# Altium PCB 第六组 谌梓轩 3210105209.PcbDoc
Units mm, origin at the board's own origin, x right, y up, seen from the top; angles counter-clockwise.
Board outline 150 x 80 mm, 2 copper layers (Top Layer, Bottom Layer); 93 components, 47 nets, 218 pads, 0 vias.
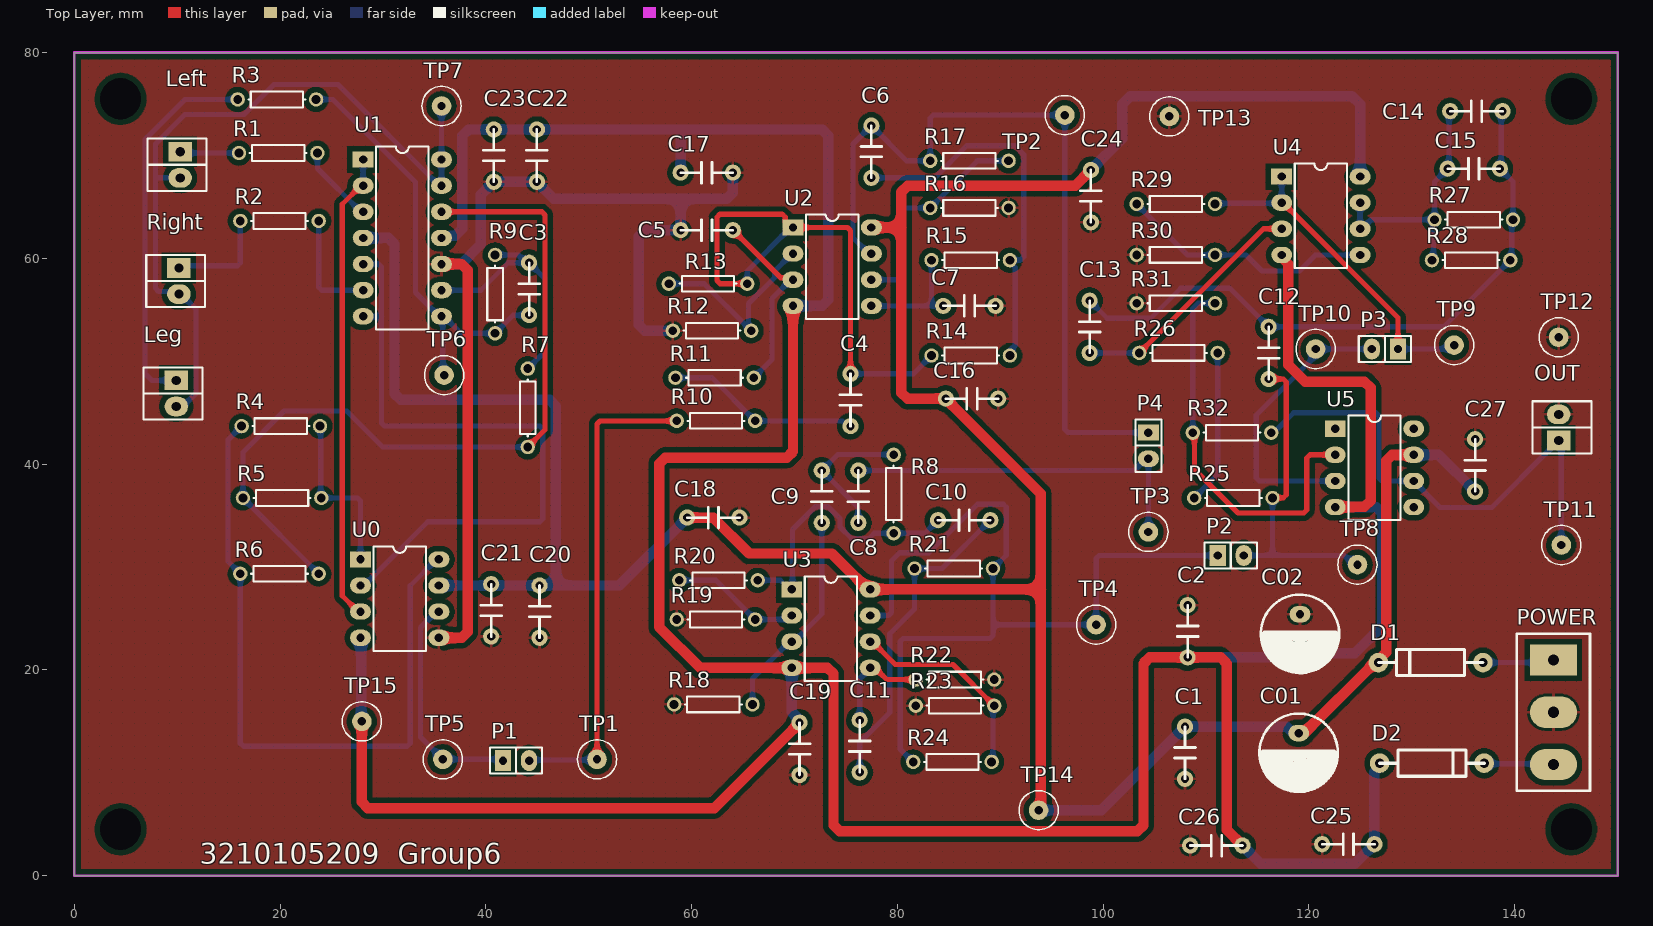
[diagram p0: Top Layer view]
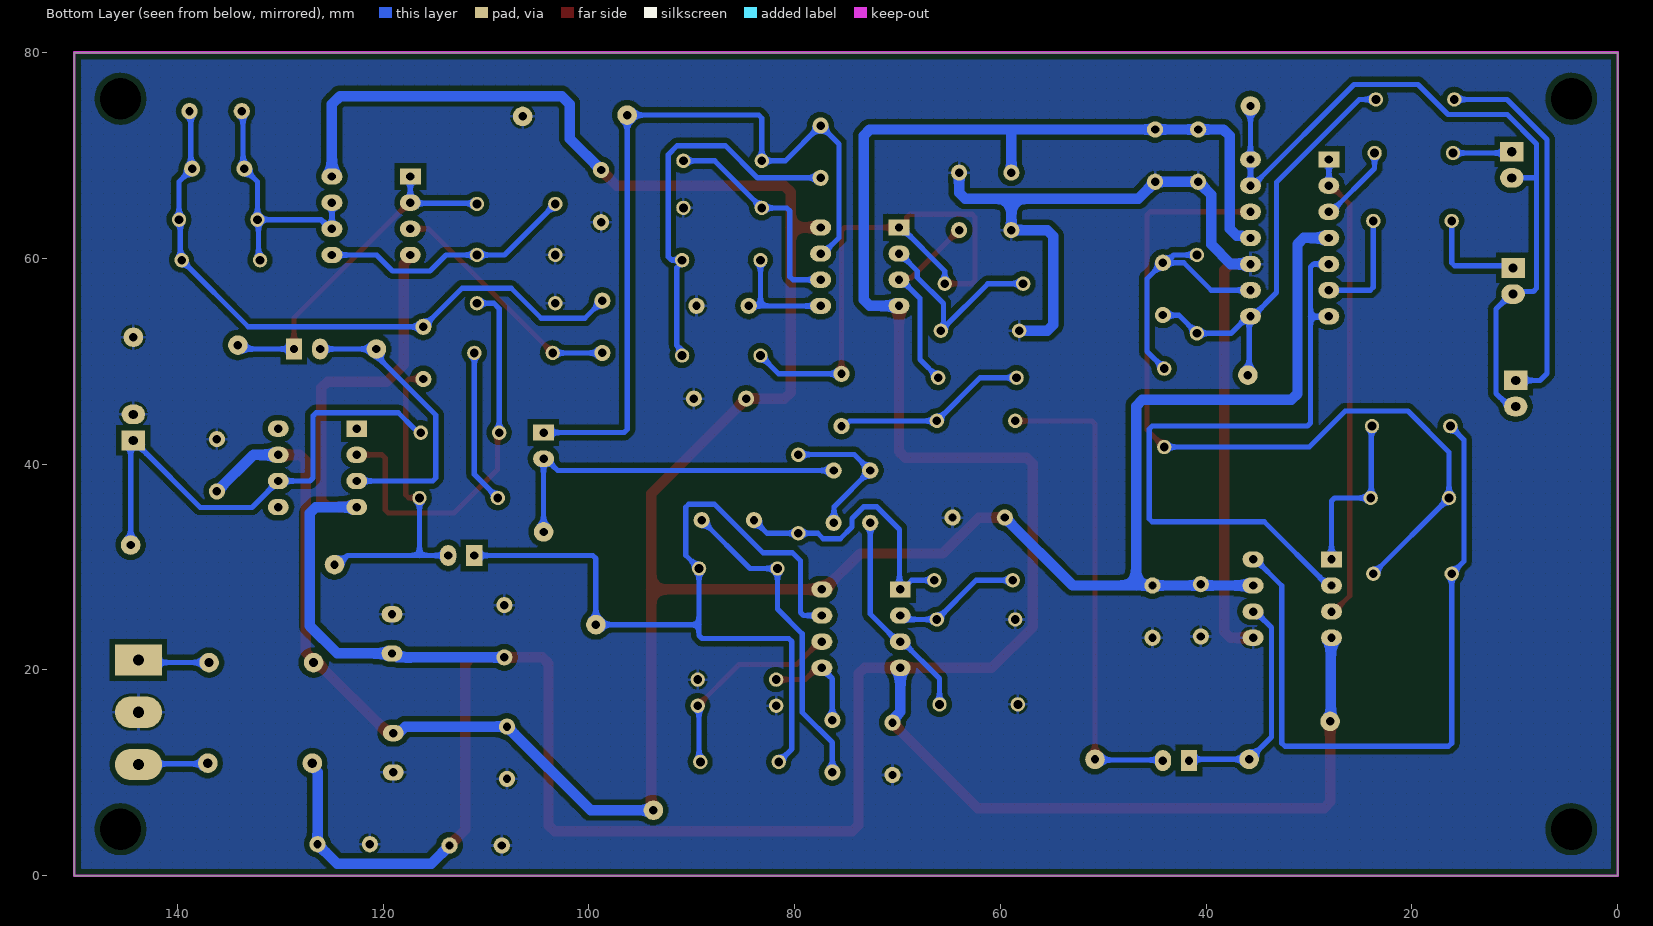
[diagram p1: Bottom Layer view, seen from below]
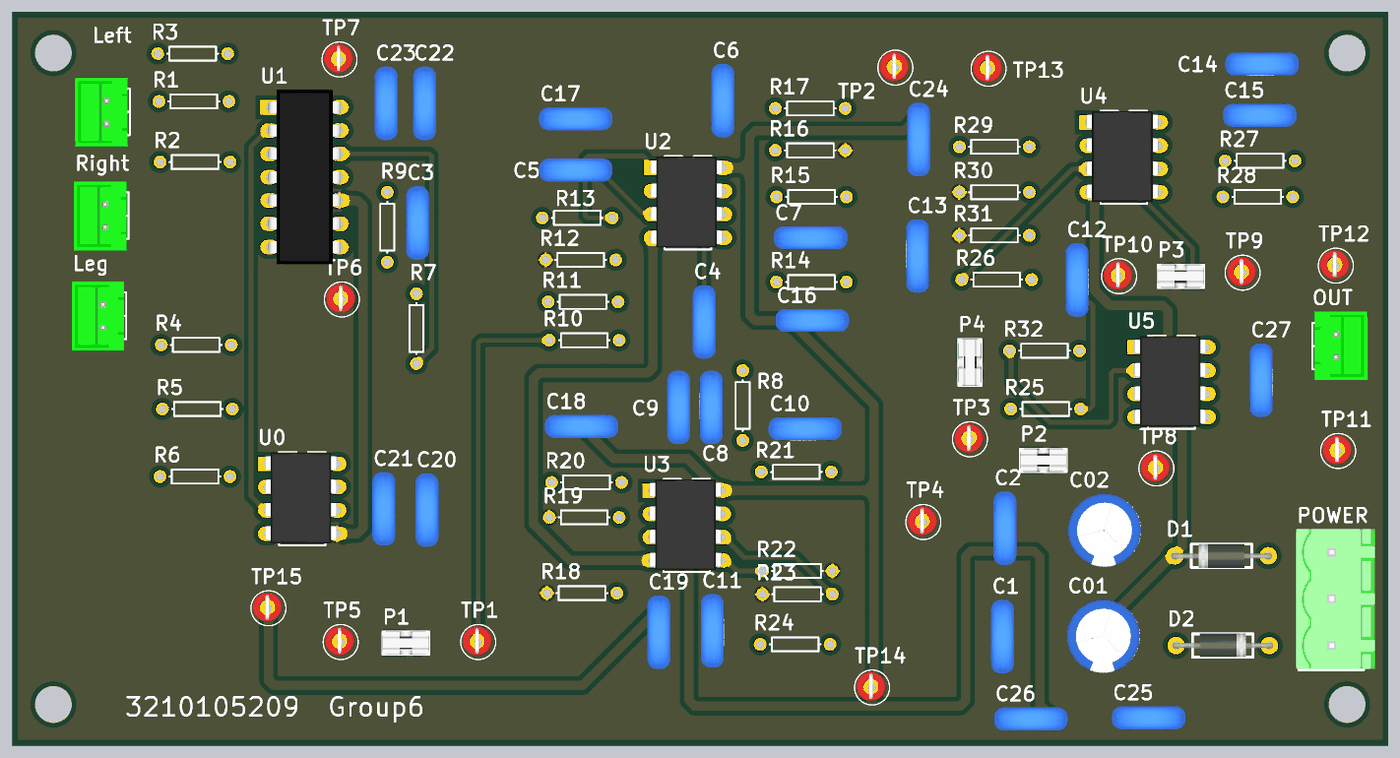
[diagram p2: 3D render of the assembled board from above, using the file's embedded part models]

## Layer stack, top to bottom
Top Solder: solder mask 0.0102, Solder Resist, Dk 3.5
Top Layer: signal copper 0.0356
Dielectric 1: dielectric 0.32, FR-4, Dk 4.8
Bottom Layer: signal copper 0.0356
Bottom Solder: solder mask 0.0102, Solder Resist, Dk 3.5

## Board outline
0,0 150,0 150,80 0,80

## Design rules (kind name [scope] priority, off if disabled: settings)
Clearance [All] p1: gap=0.508 ignorepadtopadclearanceinfootprint=FALSE
PolygonConnect [All] p1: connectstyle=Relief reliefconductorwidth=0.254 reliefentries=4 polygonreliefangle="90 Angle" airgapwidth=0.254
RoutingVias [All] p1: holewidth=0.711 width=1.27 viastyle="Through Hole" minholewidth=0.711 minwidth=1.27 maxholewidth=0.711 maxwidth=1.27
SolderMaskExpansion [All] p1: expansion=0.102 istentingtop=FALSE
Width [All] p1: maxlimit=1.27 minlimit=0.381 preferedwidth=0.508
30 further rules are at their usual default settings.

## Classes and differential pairs
component class rearamp3210105209: C4 C5 C6 C7 C8 C9 C10 C11 C16 C17 C18 P1 P4 R8 R10 R11 R12 R13 R14 R15 R16 R17 R18 R19 R20 R21 R22 R23 R24 TP1 TP2 TP3 TP4 U2 U3
component class frontamp3210105209: C3 C20 C21 C22 C23 Left Leg R1 R2 R3 R4 R5 R6 R7 R9 Right TP5 TP6 TP7 U0 U1
component class filter3210105209: C1 C01 C02 C2 C12 C13 C14 C15 C24 C25 C26 C27 D1 D2 OUT P2 P3 POWER R25 R26 R27 R28 R29 R30 R31 R32 TP8 TP9 TP10 TP11 TP12 TP13 TP14 TP15 U4 U5

## Components (designator, comment, footprint, x,y, rotation, side; value= is the part's Value field where it differs from the comment)
C1 "104" C2 107.95,9.398 r90 top value=4700pF
C01 "220uF" RB.15/.3 118.999,13.843 r270 top
C2 "104" C2 108.204,21.209 r90 top value=4700pF
C02 "220uF" RB.15/.3 119.126,25.4 r270 top
C3 "823" C2 44.196,54.483 r90 top value=4700pF
C4 "823" C2 75.438,43.688 r90 top value=4700pF
C5 "823" C2 58.928,62.738 r0 top value=4700pF
C6 "823" C2 77.47,67.818 r90 top value=4700pF
C7 "823" C2 89.535,55.372 r180 top value=4700pF
C8 "105" C2 76.2,39.37 r270 top value=4700pF
C9 "105" C2 72.644,39.37 r270 top value=4700pF
C10 "105" C2 83.947,34.544 r0 top value=4700pF
C11 "105" C2 76.327,10.033 r90 top value=4700pF
C12 "473" C2 116.078,48.26 r90 top value=4700pF
C13 "823" C2 98.679,55.88 r270 top value=4700pF
C14 "473" C2 133.731,74.295 r0 top value=4700pF
C15 "473" C2 133.477,68.707 r0 top value=4700pF
C16 "104" C2 84.709,46.355 r0 top value=4700pF
C17 "104" C2 58.928,68.326 r0 top value=4700pF
C18 "104" C2 59.563,34.798 r0 top value=4700pF
C19 "104" C2 70.485,14.859 r270 top value=4700pF
C20 "104" C2 45.212,28.194 r270 top value=4700pF
C21 "104" C2 40.513,28.321 r270 top value=4700pF
C22 "104" C2 44.958,72.517 r270 top value=4700pF
C23 "104" C2 40.767,72.517 r270 top value=4700pF
C24 "104" C2 98.806,68.58 r270 top value=4700pF
C25 "104" C2 126.365,3.048 r180 top value=4700pF
C26 "104" C2 113.538,2.921 r180 top value=4700pF
C27 "104" C2 136.144,37.338 r90 top value=4700pF
D1 "1N4007" DIODE0.4 136.906,20.701 r180 top
D2 "1N4007" DIODE0.4 126.873,10.922 r0 top
Left "Header 2" SIP2L 10.287,70.358 r270 top
Leg "Header 2" SIP2L 9.906,48.133 r270 top
OUT "Header 2" SIP2L 144.272,42.291 r90 top
P1 "JUMP-1" SIP2 41.656,11.176 r0 top
P2 "JUMP-1" SIP2 111.125,31.115 r0 top
P3 "JUMP-1" SIP2 128.651,51.181 r180 top
P4 "JUMP-1" SIP2 104.394,43.053 r270 top
POWER "Header 3" POWER3 143.764,20.955 r270 top
R1 "50K" AXIAL-0.3 19.812,70.231 r0 top
R2 "50K" AXIAL-0.3 19.939,63.627 r0 top
R3 "100K" AXIAL-0.3 19.685,75.438 r0 top value=50K
R4 "5.6K" AXIAL-0.3 20.066,43.688 r0 top value=50K
R5 "24.9" AXIAL-0.3 20.193,36.703 r0 top value=50K
R6 "24.9" AXIAL-0.3 19.939,29.337 r180 top value=50K
R7 "10K" AXIAL-0.3 44.069,45.466 r270 top value=50K
R8 "5.1M" AXIAL-0.3 79.629,37.084 r270 top value=50K
R9 "10M" AXIAL-0.3 40.894,56.515 r90 top value=50K
R10 "18K" AXIAL-0.3 62.357,44.196 r0 top value=50K
R11 "18K" AXIAL-0.3 62.23,48.387 r0 top value=50K
R12 "100K" AXIAL-0.3 61.976,52.959 r0 top value=50K
R13 "56K" AXIAL-0.3 61.595,57.531 r0 top value=50K
R14 "18K" AXIAL-0.3 87.122,50.546 r0 top value=50K
R15 "18K" AXIAL-0.3 87.122,59.817 r180 top value=50K
R16 "50K" AXIAL-0.3 86.995,64.897 r180 top
R17 "56K" AXIAL-0.3 86.995,69.469 r180 top value=50K
R18 "104" AXIAL-0.3 62.103,16.637 r0 top value=50K
R19 "8.2M" AXIAL-0.3 62.357,24.892 r0 top value=50K
R20 "5.1M" AXIAL-0.3 62.611,28.702 r0 top value=50K
R21 "5.1M" AXIAL-0.3 85.471,29.845 r0 top value=50K
R22 "5.1M" AXIAL-0.3 85.598,19.05 r180 top value=50K
R23 "5.1M" AXIAL-0.3 85.598,16.51 r0 top value=50K
R24 "5.1M" AXIAL-0.3 85.344,11.049 r180 top value=50K
R25 "68K" AXIAL-0.3 112.649,36.703 r180 top value=50K
R26 "68K" AXIAL-0.3 107.315,50.8 r180 top value=50K
R27 "68K" AXIAL-0.3 136.017,63.754 r0 top value=50K
R28 "68K" AXIAL-0.3 135.763,59.817 r0 top value=50K
R29 "200R" AXIAL-0.3 107.061,65.278 r0 top value=50K
R30 "1.8K" AXIAL-0.3 107.061,60.325 r0 top value=50K
R31 "47K" AXIAL-0.3 107.061,55.626 r0 top value=50K
R32 "100K" AXIAL-0.3 112.522,43.053 r0 top value=50K
Right "Header 2" SIP2L 10.16,59.055 r270 top
TP1 "TP-1" tp-1-1 50.8,11.303 r0 top
TP2 "TP-1" tp-1-1 96.266,73.914 r0 top
TP3 "TP-1" tp-1-1 104.394,33.401 r0 top
TP4 "TP-1" tp-1-1 99.314,24.384 r0 top
TP5 "TP-1" tp-1-1 35.814,11.303 r0 top
TP6 "TP-1" tp-1-1 35.941,48.641 r0 top
TP7 "TP-1" tp-1-1 35.687,74.803 r0 top
TP8 "TP-1" tp-1-1 124.714,30.226 r0 top
TP9 "TP-1" tp-1-1 134.112,51.562 r0 top
TP10 "TP-1" tp-1-1 120.65,51.181 r0 top
TP11 "TP-1" tp-1-1 144.526,32.131 r0 top
TP12 "TP-1" tp-1-1 144.272,52.324 r0 top
TP13 "TP-1" tp-1-1 106.426,73.787 r0 top
TP14 "TP-1" tp-1-1 93.726,6.35 r0 top
TP15 "TP-1" tp-1-1 27.94,14.986 r0 top
U0 "AD620AN" DIP8 27.813,30.734 r0 top
U1 "LM324" DIP14 28.067,69.596 r0 top
U2 "LM353" DIP8 69.85,62.992 r0 top
U3 "LM353" DIP8 69.723,27.813 r0 top
U4 "LM353" DIP8 117.348,67.945 r0 top
U5 "LF356" DIP8 122.555,43.434 r0 top

## Footprints (in the part's own frame and the unit in brackets; to place one, negate y for a bottom-side part, rotate by r counter-clockwise, add the part's x,y. Pads: shape width x height; smd on the part's side, far side on the other; paste and mask are expansions set on the pad)
AXIAL-0.3 [mm] "Axial Device, Thru-Hole; 2 Leads; 0.3 in Pin Spacing"
  round 1.4 hole 0.85: 1(-3.81,0) 2(3.81,0)
  silkscreen extent -2.77,-0.76 2.77,0.76
C2 [mil]
  round 62 hole 32: 1(0,0) 2(200,0)
  silkscreen extent 0,-40 200,40, body extent -59,-49 256,49, height 413
DIODE0.4 [mil]
  round 75 hole 35: A(0,0) K(400,0)
  silkscreen extent 0,-50 400,50, body extent -18,-50 418,52, height 130
DIP8 [mil]
  rect 80x62 hole 32: 1(0,0)
  oval 80x62 hole 32: 2(0,-100) 3(0,-200) 4(0,-300) 5(300,-300) 6(300,-200) 7(300,-100) 8(300,0)
  silkscreen extent 50,-350 250,50, body extent -10,-342 298,48, height 180
DIP14 [mil]
  rect 80x62 hole 32: 1(0,0)
  oval 80x62 hole 32: 2(0,-100) 3(0,-200) 4(0,-300) 5(0,-400) 6(0,-500) 7(0,-600) 8(300,-600) 9(300,-500) 10(300,-400) 11(300,-300) 12(300,-200) 13(300,-100) 14(300,0)
  silkscreen extent 50,-650 250,50, body extent -5,-675 305,75, height 165
POWER3 [mil]
  rect 120x180 hole 43: 1(0,0)
  oval 120x180 hole 43: 2(200,0) 3(400,0)
  silkscreen extent -100,-140 500,140, body extent -105,-150 495,189, height 472
RB.15/.3 [mil]
  oval 62x80 hole 32: 1(0,0) 2(150,0)
  silkscreen extent -75,-150 225,150, body extent -82,-159 232,155, height 504
SIP2 [mil]
  rect 62x80 hole 32: 1(0,0)
  oval 62x80 hole 32: 2(100,0)
  silkscreen extent -50,-50 150,50, body extent -50,-50 150,50, height 646
SIP2L [mil]
  rect 75x90 hole 35: 1(0,0)
  oval 75x90 hole 35: 2(100,0)
  silkscreen extent -50,-125 150,100, body extent -96,-134 199,90, height 276
tp-1-1 [mil]
  round 75 hole 32: 1(0,0)
  silkscreen extent -75,-75 75,75, body extent -67,-57 57,67, height 320

## Part data
C1 C2 C3 C4 C5 C6 C7 C8 C9 C10 C11 C12 C13 C14 C15 C16 C17 C18 C19 C20 C21 C22 C23 C24 C25 C26 C27: library part Cap, "Capacitor", LatestRevisionDate=17-Jul-2002, LatestRevisionNote="Re-released for DXP Platform.", PackageDescription="Radial Cap, Thru-Hole; 2 Leads; 0.3 in Pin Spacing", PackageReference=RAD-0.3, Published=8-Jun-2000, Publisher="Altium Limited"
C01 C02: library part "Cap Pol1", "Polarized Capacitor (Radial)", LatestRevisionDate=17-Jul-2002, LatestRevisionNote="Re-released for DXP Platform.", PackageDescription="Polarized Capacitor (Radial); 2 Leads", PackageReference=RB7.6-15, Published=8-Jun-2000, Publisher="Altium Limited"
D1 D2: library part DIODE
Left Leg OUT Right: "Header, 2-Pin", LatestRevisionDate=17-Jul-2002, LatestRevisionNote="Re-released for DXP Platform.", Publisher="Altium Limited"
POWER: "Header, 3-Pin", LatestRevisionDate=17-Jul-2002, LatestRevisionNote="Re-released for DXP Platform.", Publisher="Altium Limited"
R1 R2 R3 R4 R5 R6 R7 R8 R9 R10 R11 R12 R13 R14 R15 R16 R17 R18 R19 R20 R21 R22 R23 R24 R25 R26 R27 R28 R29 R30 R31 R32: library part Res2, "Resistor", LatestRevisionDate=17-Jul-2002, LatestRevisionNote="Re-released for DXP Platform.", PackageDescription="Axial Device, Thru-Hole; 2 Leads; 0.4 in Pin Spacing", PackageReference=AXIAL-0.4, Published=8-Jun-2000, Publisher="Altium Limited"
U0: "Low-Cost, Low-Power Instrumentation Amplifier", ComponentLink1Description="Manufacturer Link", ComponentLink1URL=http://www.analog.com/en/prod/0%2C2877%2CAD620%2C00.html, ComponentLink2Description=Datasheet, ComponentLink2URL=http://www.analog.com/UploadedFiles/Data_Sheets/897653854AD620_g.pdf, DatasheetVersion="REV.D 1998", LatestRevisionDate=04-Mar-2005, LatestRevisionNote="Stylized 3D Model Added.", PackageDescription="DIP; 8 Leads; Row Spacing 7.62 mm; Pitch 2.54 mm", PackageReference=N-8, PackageVersion=revA, Published=8-Jun-2000, Publisher="Altium Limited"

## Free pads (board coordinates)
  round 1.524 hole 4: 1(145.5,75.5) 2(145.5,4.5) 4(4.5,75.5) 5(4.5,4.5)

## Nets (pads, with @x,y where several pads share a name; then routed paths per layer and width w, separated by ;. In a path a pad name is that pad's centre, name@x,y a point inside that pad or via, vN(x,y) a via of type N, cw(c..) or ccw(c..) an arc to the next point about the centre after c; other vN are vias at no path point)
FF: P1.1 TP5.1 U0.6 | length 22
  Bottom Layer w0.508: U0.6 35.204,25.654 33.655,24.105 33.655,13.462 TP5.1 41.529,11.303 P1.1
FI: P2.1 R21.2 R24.2 TP4.1 U3.7 | length 83.7
  Bottom Layer w0.508: U3.7 79.118,25.273 79.416,25.571 79.416,30.604 80.194,31.383 83.072,31.383 87.782,36.093 90.279,36.093 90.576,35.796 90.576,31.14 R21.2 89.281,24.384 ; R24.2 80.264,12.319 80.264,22.746 80.562,23.043 88.983,23.043 89.281,23.341 89.281,24.384 ; P2.1 99.612,31.115 99.314,30.817 TP4.1 89.281,24.384
GND: C1.1 C01.2 C02.1 C2.2 C5.1 C7.1 C16.2 C17.2 C18.2 C19.2 C20.2 C21.2 C22.2 C23.2 C24.2 C25.2 C26.2 C27.2 OUT.2 POWER.2 R12.1 R16.1 R18.1 R19.1 R22.1 R23.1 R30.1 R31.1 TP12.1 TP13.1 U0.5 U1.10 | length 97.8
  Top Layer w1.016: U0.5 37.632,23.114 38.227,23.709 38.227,58.841 37.632,59.436 U1.10
  Bottom Layer w1.016: U1.10 37.592,59.436 39.497,61.341 39.497,66.167 C23.2 C22.2 46.609,65.786 58.928,65.786 ; R12.1 55.459,52.959 54.864,53.554 54.864,62.143 55.459,62.738 C5.1 58.928,65.786 ; C17.2 64.008,66.381 63.413,65.786 58.928,65.786
LtoH: C6.2 P4.1 R17.2 TP2.1 U2.7 | length 77.4
  Bottom Layer w0.508: U2.7 77.241,60.452 75.692,62.001 75.692,71.12 C6.2 80.899,69.469 R17.2 83.185,73.616 83.483,73.914 TP2.1 96.266,43.351 96.564,43.053 P4.1
NetC3_1: C3.1 R3.2 R9.1 TP6.1 U1.8 | length 43
  Bottom Layer w0.508: R3.2 25.106,75.438 33.147,67.397 33.147,56.667 35.458,54.356 U1.8 ; TP6.1 35.814,48.768 35.814,54.229 U1.8 ; C3.1 44.171,54.458 42.647,54.458 R9.1 37.567,52.705 35.916,54.356 U1.8
NetC3_2: C3.2 R7.1 R9.2 U1.9 | length 24.6
  Bottom Layer w0.508: U1.9 39.497,56.896 42.164,59.563 C3.2@43.907,59.563 ; R9.2 43.145,60.325 C3.2@43.907,59.563 ; R7.1 45.745,50.952 45.745,58.014 C3.2 C3.2@43.907,59.563
NetC4_1: C4.1 R10.2 R11.1 | length 19
  Bottom Layer w0.508: R11.1 61.976,48.387 R10.2 74.641,44.196 75.149,43.688 C4.1
NetC4_2: C4.2 R13.2 R14.1 U2.1 | length 53.1
  Top Layer w0.508: R13.2 62.756,57.531 62.459,57.829 62.459,63.99 62.756,64.287 68.79,64.287 69.088,63.99 69.088,63.525 69.621,62.992 U2.1@69.73,62.992 ; U2.1 75.14,62.992 75.438,62.694 C4.2
  Bottom Layer w0.508: R13.2 65.405,58.776 69.621,62.992 U2.1 ; C4.2 81.534,48.768 R14.1
NetC5_2: C5.2 R11.2 U2.3 | length 19.1
  Top Layer w0.508: C5.2 68.63,58.116 69.646,58.116 U2.3
  Bottom Layer w0.508: R11.2 67.814,50.161 67.814,56.105 69.621,57.912 U2.3
NetC6_1: C6.1 R14.2 R15.1 | length 37.5
  Bottom Layer w0.508: C6.1 83.602,67.818 86.715,70.931 91.411,70.931 92.267,70.075 92.267,60.129 91.969,59.831 90.946,59.831 R15.1 90.932,59.581 91.44,59.073 91.44,51.544 91.103,51.206 91.103,50.717 R14.2
NetC7_2: C7.2 R15.2 U2.5 | length 11.4
  Bottom Layer w0.508: U2.5 83.312,55.372 ; R15.2 83.312,55.372 ; C7.2 83.312,55.372
NetC8_1: C8.1 P4.2 TP3.1 | length 35.8
  Bottom Layer w0.508: C8.1 103.022,39.37 104.165,40.513 P4.2 TP3.1
NetC8_2: C8.2 C9.1 R8.1 | length 14.2
  Bottom Layer w0.508: C8.2 76.175,34.315 76.175,35.839 C9.1 74.193,40.919 79.604,40.919 R8.1
NetC9_2: C9.2 R18.2 U3.3 | length 20.7
  Bottom Layer w0.508: R18.2 65.913,19.152 69.494,22.733 U3.3 69.952,22.733 72.644,25.425 C9.2
NetC10_1: C10.1 R8.2 R20.2 U3.1 | length 27.1
  Bottom Layer w0.508: R20.2 68.605,28.702 69.494,27.813 U3.1 69.803,27.893 69.803,33.64 72.002,35.839 73.286,35.839 74.422,34.703 74.422,33.877 75.558,32.741 77.206,32.741 77.74,33.274 R8.2 82.677,33.274 C10.1
NetC10_2: C10.2 C11.1 R21.1 | length 31.3
  Bottom Layer w0.508: C11.1 76.327,12.922 79.248,15.843 79.248,23.495 81.661,25.908 R21.1 84.328,29.845 C10.2
NetC11_2: C11.2 R22.2 U3.5 | length 10.4
  Top Layer w0.508: U3.5 77.818,20.193 78.961,19.05 R22.2
  Bottom Layer w0.508: C11.2 76.327,19.117 77.343,20.133 U3.5
NetC12_1: C12.1 P2.2 R25.1 TP8.1 | length 31.3
  Top Layer w0.508: C12.1 117.496,48.26 117.794,47.962 117.794,37.015 117.496,36.717 116.473,36.717 R25.1
  Bottom Layer w0.508: P2.2 116.459,31.115 ; R25.1 116.459,31.115 ; TP8.1 124.336,30.226 123.447,31.115 116.459,31.115
NetC12_2: C12.2 C13.1 C14.2 C15.2 R27.2 R28.2 | length 62.3
  Bottom Layer w0.508: C13.1 100.395,54.164 104.618,54.164 107.542,57.088 112.33,57.088 C12.2 133.096,53.34 R28.2 139.7,59.944 139.7,63.627 R27.2 139.827,67.437 C15.2 138.684,68.834 138.684,74.168 C14.2
NetC13_2: C13.2 R26.2 U4.3 | length 23.7
  Top Layer w0.508: R26.2 115.57,62.865 U4.3
  Bottom Layer w0.508: C13.2 R26.2
NetC14_1: C14.1 C15.1 R27.1 R28.1 U4.6 U4.7 | length 25.4
  Bottom Layer w0.508: U4.7 U4.6 125.139,62.865 126.028,63.754 R27.1 ; R28.1 132.093,59.957 132.093,63.64 R27.1 ; C14.1 133.604,74.168 133.604,68.834 C15.1 132.207,67.437 R27.1
NetD1_A: D1.A POWER.1 | length 7
  Bottom Layer w0.508: D1.A 143.51,20.701 POWER.1
NetD2_K: D2.K POWER.3 | length 6.8
  Bottom Layer w0.508: D2.K 137.096,10.858 143.701,10.858 POWER.3
NetLeft_1: Left.1 R1.1 | length 6
  Bottom Layer w0.508: Left.1@10.477,70.358 Left.1 10.414,70.231 R1.1
NetLeft_2: Left.2 Leg.2 Right.2 TP7.1 U1.13 U1.14 | length 74.5
  Bottom Layer w0.508: 7.874,67.691 8.001,67.818 Left.2 ; Leg.2@9.337,45.593 Leg.2 10.173,45.86 10.806,45.86 11.811,46.865 11.811,55.054 10.351,56.515 Right.2 9.893,56.782 8.172,56.782 7.874,57.08 7.874,59.942 7.874,67.818 7.874,71.118 10.732,73.976 16.481,73.976 19.405,76.9 25.614,76.9 35.458,67.056 U1.13 U1.14 TP7.1
NetLeg_1: Leg.1 R3.1 | length 36.7
  Bottom Layer w0.508: Leg.1 7.537,48.133 6.858,48.812 6.858,71.539 10.757,75.438 R3.1
NetOUT_1: OUT.1 R32.2 TP11.1 U5.6 | length 49.2
  Bottom Layer w0.508: R32.2 116.573,43.053 116.972,43.452 116.985,43.452 118.516,44.983 126.517,44.983 126.814,44.686 126.814,38.652 127.112,38.354 U5.6 132.74,35.789 137.77,35.789 143.383,41.402 143.383,41.593 144.082,42.291 OUT.1 144.526,42.037 TP11.1
NetP1_2: P1.2 R10.1 TP1.1 | length 47.1
  Top Layer w0.508: TP1.1 50.8,43.898 51.098,44.196 R10.1
  Bottom Layer w0.508: P1.2 44.259,11.239 50.736,11.239 TP1.1
NetP3_1: P3.1 R29.2 TP9.1 U4.1 U4.2 | length 33.7
  Top Layer w0.508: U4.2 117.468,65.405 128.651,54.222 P3.1
  Bottom Layer w0.508: R29.2 110.934,65.341 117.284,65.341 U4.2 U4.1 ; P3.1 133.353,51.181 133.734,51.562 TP9.1
NetP3_2: P3.2 TP10.1 U5.3 | length 28.2
  Bottom Layer w0.508: U5.3 115.168,38.354 114.87,38.652 114.87,44.766 120.383,50.279 120.383,50.914 TP10.1 P3.2
NetR1_2: R1.2 U1.3 | length 7.7
  Bottom Layer w0.508: R1.2 23.622,68.732 27.838,64.516 U1.3
NetR2_1: R2.1 Right.1 | length 10.2
  Bottom Layer w0.508: Right.1 10.37,59.265 15.831,59.265 16.129,59.563 R2.1
NetR2_2: R2.2 U1.6 | length 10.9
  Bottom Layer w0.508: R2.2 23.749,57.194 24.047,56.896 U1.6
NetR4_1: R4.1 R6.2 U0.8 | length 67.8
  Bottom Layer w0.508: R4.1 14.921,42.353 14.921,30.545 R6.2 16.129,12.871 16.427,12.573 32.341,12.573 32.639,12.871 32.639,28.169 35.204,30.734 U0.8
NetR4_2: R4.2 R5.2 U0.1 | length 16.6
  Bottom Layer w0.508: R4.2 23.939,43.624 23.939,36.767 R5.2 27.515,36.703 27.813,36.405 U0.1
NetR5_1: R5.1 R6.1 R7.2 U1.12 | length 79.1
  Top Layer w0.508: U1.12 45.448,64.516 45.745,64.218 45.745,43.332 R7.2
  Bottom Layer w0.508: R6.1 R5.1 16.383,41.148 20.385,45.15 26.478,45.15 29.972,41.656 R7.2
NetR12_2: R12.2 R13.1 U2.2 | length 19
  Bottom Layer w0.508: R13.1 61.214,57.531 R12.2@65.532,53.213 ; R12.2 R12.2@65.532,53.213 ; U2.2 69.763,60.452 68.072,58.761 68.072,58.13 65.532,55.59 65.532,53.703 65.615,53.619 65.615,53.296 R12.2@65.532,53.213
NetR16_2: R16.2 R17.1 U2.6 | length 21.9
  Bottom Layer w0.508: U2.6 80.161,57.912 80.459,58.21 80.459,64.599 80.756,64.897 R16.2 87.757,69.469 R17.1
NetR19_2: R19.2 R20.1 U3.2 | length 12.7
  Bottom Layer w0.508: R20.1 62.357,28.702 R19.2 68.825,24.892 69.206,25.273 U3.2
NetR23_2: R23.2 R24.1 U3.6 | length 20.2
  Top Layer w0.508: U3.6 77.572,22.733 79.793,20.512 85.406,20.512 R23.2
  Bottom Layer w0.508: R24.1 89.281,11.176 89.281,16.383 R23.2
NetR25_2: R25.2 R26.1 | length 15
  Bottom Layer w0.508: R25.2 111.125,38.989 R26.1
NetR29_1: R29.1 R30.2 U4.5 | length 25.1
  Bottom Layer w0.508: R29.1 108.204,60.325 R30.2 113.891,60.325 115.44,58.776 119.069,58.776 120.618,60.325 U4.5
NetR31_2: R31.2 R32.1 U5.2 | length 38.8
  Top Layer w0.508: R32.1 108.883,42.882 108.883,39.453 113.095,35.241 119.492,35.241 119.79,35.539 119.79,40.596 120.087,40.894 U5.2
  Bottom Layer w0.508: R32.1 108.712,55.118 109.22,55.626 R31.2
NetU0_2: U0.2 U1.5 U1.7 | length 63.9
  Bottom Layer w0.508: U0.2 28.154,28.194 34.352,34.392 45.233,34.392 45.531,34.69 45.531,43.39 45.233,43.688 30.143,43.688 29.845,43.986 29.845,54.318 ; U1.7 28.105,54.318 29.845,54.318 ; U1.5 29.547,59.436 29.845,59.138 29.845,54.318
NetU0_3: U0.3 U1.1 U1.2 | length 46.2
  Top Layer w0.508: U0.3 27.584,25.654 26.035,27.203 26.035,65.253 27.838,67.056 U1.2
  Bottom Layer w0.508: U0.3 U0.3@28.042,25.654 ; U1.1 U1.2 U1.2@28.296,67.056
VCC: C01.1 C1.2 C16.1 C18.1 C20.1 C21.1 C24.1 C27.1 D1.K TP14.1 U0.7 U1.4 U2.8 U3.8 U4.8 U5.7 | length 314.2
  Top Layer w0.508: U3.8@77.114,27.813 U3.8 ; U2.8 U2.8@77.699,62.992 ; C01.1 C01.1@119.516,13.843 ; D1.K@126.374,20.701 D1.K
  Top Layer w1.016: C18.1 62.093,34.798 65.585,31.305 73.622,31.305 U3.8@77.114,27.813 ; U3.8 93.936,27.813 ; U2.8@77.699,62.992 80.391,62.992 ; TP14.1 93.896,6.52 93.896,7.149 93.936,7.189 93.936,27.813 ; C24.1 97.262,67.036 80.986,67.036 80.391,66.441 80.391,62.992 ; C01.1@119.516,13.843 D1.K@126.374,20.701 ; D1.K 126.746,20.942 127.508,21.704 127.508,40.299 128.103,40.894 U5.7 ; 80.391,62.992 80.391,46.95 80.986,46.355 C16.1 93.936,37.128 93.936,27.813
  Bottom Layer w0.508: C21.1@40.45,28.258 C21.1 ; C20.1@45.148,28.258 C20.1
  Bottom Layer w1.016: U1.4 30.52,61.976 31.115,61.381 31.115,46.823 31.71,46.228 46.206,46.228 46.801,45.633 46.801,28.194 ; U0.7 39.991,28.194 40.011,28.214 40.429,28.214 40.45,28.194 40.47,28.214 40.771,28.214 40.791,28.194 45.148,28.194 46.801,28.194 ; C18.1 52.959,28.194 46.801,28.194 ; TP14.1 99.822,6.35 C1.2 117.847,14.478 118.482,13.843 C01.1 ; C24.1 101.854,71.628 101.854,74.97 102.64,75.755 124.182,75.755 124.968,74.97 U4.8 ; U5.7 132.588,40.894 C27.1
VEE: C2.1 C02.2 C17.1 C19.1 C22.1 C23.1 C25.1 C26.1 D2.A TP15.1 U0.4 U1.11 U2.4 U3.4 U4.4 U5.4 | length 382.6
  Top Layer w1.016: TP15.1 27.94,7.156 28.535,6.56 62.186,6.56 C19.1 ; U2.4 69.85,41.221 69.255,40.626 57.426,40.626 56.831,40.03 56.831,24.181 56.905,24.107 60.819,20.193 U3.4 73.192,20.193 73.787,19.598 73.787,4.913 74.382,4.318 103.321,4.318 103.916,4.913 103.916,20.614 104.511,21.209 C2.1 111.419,21.209 112.014,20.614 112.014,4.445 C26.1 ; U4.4 117.425,60.325 117.684,60.067 117.684,59.75 117.996,59.437 117.996,49.644 119.634,48.006 125.389,48.006 125.984,47.411 125.984,36.438 125.389,35.843 122.584,35.843 U5.4
  Bottom Layer w0.508: U0.4 U0.4@27.877,23.05 ; TP15.1@27.877,15.05 TP15.1 ; U1.11 U1.11@35.916,61.976 ; C19.1 C19.1@70.485,15.148
  Bottom Layer w1.016: TP15.1@27.877,15.05 U0.4@27.877,23.05 ; U1.11@35.891,62.18 35.988,62.083 36.418,62.083 36.515,62.18 37.034,62.18 37.719,62.865 37.719,71.922 38.314,72.517 C22.1 58.63,72.517 ; C17.1 58.928,72.219 58.63,72.517 ; U3.4 69.723,15.91 C19.1@70.485,15.148 ; U2.4 72.684,55.372 73.279,55.967 73.279,71.922 72.684,72.517 58.63,72.517 ; C2.1 118.365,21.209 118.746,21.59 C02.2 124.46,21.59 127.127,24.257 127.127,35.219 126.532,35.814 U5.4 ; C26.1 115.316,1.143 124.46,1.143 C25.1 126.365,10.036 126.873,10.544 D2.A
pads on no net: U5.1 U5.5 U5.8

## Polygon pours and split planes (outlines as drawn)
GND on Bottom Layer "GND_L02_P-001" (hatched 90Degree grid 0.102 track 0.102, remove dead copper, pour order 0): 0,0 149.987,0 149.987,80.01 0,80.01
GND on Top Layer "GND_L02_P-001" (hatched 90Degree grid 0.102 track 0.102, remove dead copper, pour order 1): 0,0 149.987,0 149.987,80.01 0,80.01

## Keep-outs
Keep-Out Layer:
  lines w0.254: 150,0 0,0 0,80 150,80 ; 150,0.013 150,80.013

## Silkscreen, mask and mechanical layers (free items; w line width, h text height)
Top Overlay:
  text "3210105209  Group6" at 12.192,1.143 h2